# Altium PCB WX0.000.863拼板.PcbDoc (part 13 of 15) (continued)
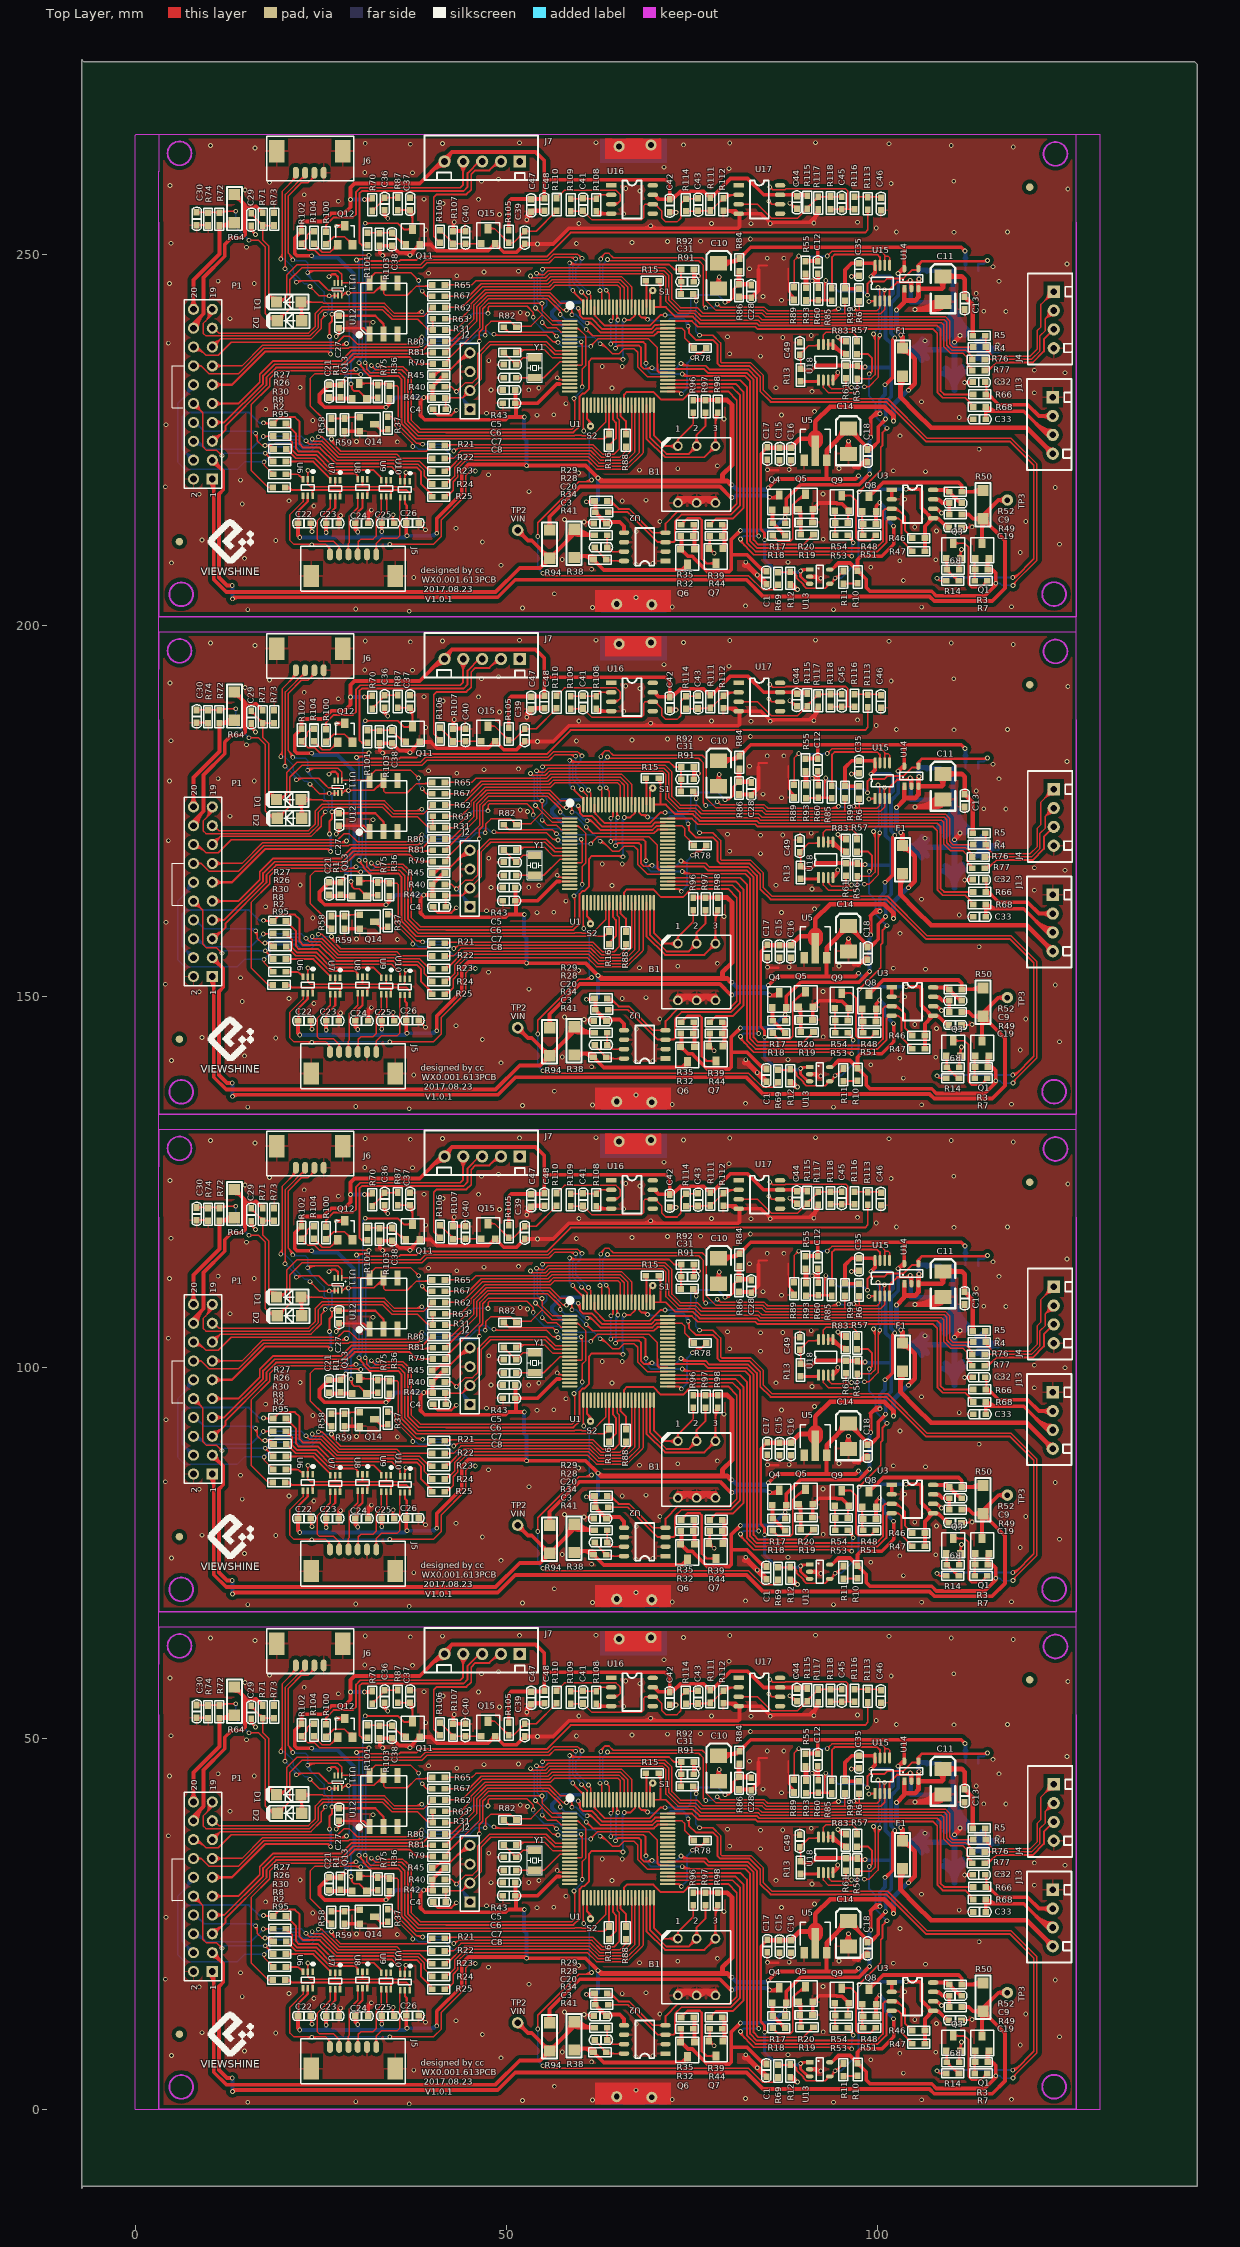
[diagram p0: Top Layer view]
## Nets (pads, with @x,y where several pads share a name; then routed paths per layer and width w, separated by ;. In a path a pad name is that pad's centre, name@x,y a point inside that pad or via, vN(x,y) a via of type N, cw(c..) or ccw(c..) an arc to the next point about the centre after c; other vN are vias at no path point) (continued)
31.039,168.326 31.069,168.356 31.069,182.402 v1(31.471,182.804) ; v1(30.988,235.382) 31.039,235.382 31.069,235.412 31.069,249.458 v1(31.471,249.86) ; 31.069,34.539 ccw(c31.313,34.539) v1@31.141,34.366 ; 31.069,101.595 ccw(c31.313,101.595) v1@31.141,101.422 ; 31.069,168.651 ccw(c31.313,168.651) v1@31.141,168.478 ; 31.069,235.707 ccw(c31.313,235.707) v1@31.141,235.534 ; v1@31.255,48.692 cw(c30.733,48.692) 31.102,48.323 cw(c31.471,47.955) v1@31.471,48.476 ; v1@31.255,115.748 cw(c30.733,115.748) 31.102,115.379 cw(c31.471,115.011) v1@31.471,115.532 ; v1@31.255,182.804 cw(c30.733,182.804) 31.102,182.435 cw(c31.471,182.067) v1@31.471,182.588 ; v1@31.255,249.86 cw(c30.733,249.86) 31.102,249.491 cw(c31.471,249.123) v1@31.471,249.644 ; v1@31.585,33.833 cw(c31.064,33.833) 31.432,33.464 cw(c31.801,33.096) v1@31.801,33.617 ; v1@31.585,100.889 cw(c31.064,100.889) 31.432,100.52 cw(c31.801,100.152) v1@31.801,100.673 ; v1@31.585,167.945 cw(c31.064,167.945) 31.432,167.576 cw(c31.801,167.208) v1@31.801,167.729 ; v1@31.585,235.001 cw(c31.064,235.001) 31.432,234.632 cw(c31.801,234.264) v1@31.801,234.785 ; 32.134,33.125 ccw(c31.375,33.884) v1@32.448,33.884 ; 32.134,100.181 ccw(c31.375,100.94) v1@32.448,100.94 ; 32.134,167.237 ccw(c31.375,167.996) v1@32.448,167.996 ; 32.134,234.293 ccw(c31.375,235.052) v1@32.448,235.052 ; 32.481,33.472 ccw(c32.069,33.884) v1@32.652,33.884 ; 32.481,100.528 ccw(c32.069,100.94) v1@32.652,100.94 ; 32.481,167.584 ccw(c32.069,167.996) v1@32.652,167.996 ; 32.481,234.64 ccw(c32.069,235.052) v1@32.652,235.052 ; v1@34.137,9.601 ccw(c33.769,9.232) 33.769,9.754 ccw(c33.769,10.275) v1@34.137,9.906 ; v1@34.137,76.657 ccw(c33.769,76.288) 33.769,76.81 ccw(c33.769,77.331) v1@34.137,76.962 ; v1@34.137,143.713 ccw(c33.769,143.344) 33.769,143.866 ccw(c33.769,144.387) v1@34.137,144.018 ; v1@34.137,210.769 ccw(c33.769,210.4) 33.769,210.922 ccw(c33.769,211.443) v1@34.137,211.074 ; v1@36.449,19.38 v1(36.449,19.406) ; v1@36.449,86.436 v1(36.449,86.462) ; v1@36.449,153.492 v1(36.449,153.518) ; v1@36.449,220.548 v1(36.449,220.574) ; v1@37.371,23.126 cw(c37.414,22.67) 37.738,22.994 ; v1@37.371,90.182 cw(c37.414,89.726) 37.738,90.05 ; v1@37.371,157.238 cw(c37.414,156.782) 37.738,157.106 ; v1@37.371,224.294 cw(c37.414,223.838) 37.738,224.162 ; v1(37.389,22.936) 37.795,22.936 ; v1(37.389,89.992) 37.795,89.992 ; v1(37.389,157.048) 37.795,157.048 ; v1(37.389,224.104) 37.795,224.104 ; v1@37.39,22.924 cw(c37.467,22.112) 38.043,22.688 ; v1@37.39,89.98 cw(c37.467,89.168) 38.043,89.744 ; v1@37.39,157.036 cw(c37.467,156.224) 38.043,156.8 ; v1@37.39,224.092 cw(c37.467,223.28) 38.043,223.856 ; v1@37.397,22.926 cw(c37.599,22.662) 37.834,22.897 ; v1@37.397,89.982 cw(c37.599,89.718) 37.834,89.953 ; v1@37.397,157.038 cw(c37.599,156.774) 37.834,157.009 ; v1@37.397,224.094 cw(c37.599,223.83) 37.834,224.065 ; v1@37.52,22.765 cw(c37.741,22.476) 37.998,22.733 ; v1@37.52,89.821 cw(c37.741,89.532) 37.998,89.789 ; v1@37.52,156.877 cw(c37.741,156.588) 37.998,156.845 ; v1@37.52,223.933 cw(c37.741,223.644) 37.998,223.901 ; v1@37.568,22.815 cw(c37.795,22.662) 37.795,22.936 ; v1@37.568,23.057 ccw(c37.795,23.211) 37.795,22.936 ; v1@37.568,89.871 cw(c37.795,89.718) 37.795,89.992 ; v1@37.568,90.113 ccw(c37.795,90.267) 37.795,89.992 ; v1@37.568,156.927 cw(c37.795,156.774) 37.795,157.048 ; v1@37.568,157.169 ccw(c37.795,157.323) 37.795,157.048 ; v1@37.568,223.983 cw(c37.795,223.83) 37.795,224.104 ; v1@37.568,224.225 ccw(c37.795,224.379) 37.795,224.104 ; v1@38.024,45.136 cw(c37.532,44.644) 38.227,44.644 ; v1@38.024,112.192 cw(c37.532,111.7) 38.227,111.7 ; v1@38.024,179.248 cw(c37.532,178.756) 38.227,178.756 ; v1@38.024,246.304 cw(c37.532,245.812) 38.227,245.812 ; v1(38.176,45.288) 38.227,45.339 38.227,44.298 v1(38.659,43.866) ; v1(38.176,112.344) 38.227,112.395 38.227,111.354 v1(38.659,110.922) ; v1(38.176,179.4) 38.227,179.451 38.227,178.41 v1(38.659,177.978) ; v1(38.176,246.456) 38.227,246.507 38.227,245.466 v1(38.659,245.034) ; 38.227,44.89 cw(c38.575,44.89) v1@38.329,45.136 ; 38.227,111.946 cw(c38.575,111.946) v1@38.329,112.192 ; 38.227,179.002 cw(c38.575,179.002) v1@38.329,179.248 ; 38.227,246.058 cw(c38.575,246.058) v1@38.329,246.304 ; v1@38.443,43.866 ccw(c37.922,43.866) 38.29,44.234 ccw(c38.659,44.603) v1@38.659,44.082 ; v1@38.443,110.922 ccw(c37.922,110.922) 38.29,111.29 ccw(c38.659,111.659) v1@38.659,111.138 ; v1@38.443,177.978 ccw(c37.922,177.978) 38.29,178.346 ccw(c38.659,178.715) v1@38.659,178.194 ; v1@38.443,245.034 ccw(c37.922,245.034) 38.29,245.402 ccw(c38.659,245.771) v1@38.659,245.25 ; v1(38.532,36.678) 45.923,36.678 v1(46.355,37.109) ; v1(38.532,103.734) 45.923,103.734 v1(46.355,104.165) ; v1(38.532,170.79) 45.923,170.79 v1(46.355,171.221) ; v1(38.532,237.846) 45.923,237.846 v1(46.355,238.277) ; v1@38.603,40.876 cw(c38.603,40.086) 39.162,40.645 ; v1(38.603,41.092) 38.633,41.123 38.684,41.123 39.225,40.582 39.225,37.873 39.618,37.48 44.939,37.48 45.998,38.539 47.398,38.539 47.888,38.049 ; v1@38.603,107.932 cw(c38.603,107.142) 39.162,107.701 ; v1(38.603,108.148) 38.633,108.179 38.684,108.179 39.225,107.638 39.225,104.929 39.618,104.536 44.939,104.536 45.998,105.595 47.398,105.595 47.888,105.105 ; v1@38.603,174.988 cw(c38.603,174.198) 39.162,174.757 ; v1(38.603,175.204) 38.633,175.235 38.684,175.235 39.225,174.694 39.225,171.985 39.618,171.592 44.939,171.592 45.998,172.651 47.398,172.651 47.888,172.161 ; v1@38.603,242.044 cw(c38.603,241.254) 39.162,241.813 ; v1(38.603,242.26) 38.633,242.291 38.684,242.291 39.225,241.75 39.225,239.041 39.618,238.648 44.939,238.648 45.998,239.707 47.398,239.707 47.888,239.217 ; v1@38.608,37.452 cw(c38.608,36.318) 39.41,37.12 ; v1@38.608,37.655 cw(c38.608,37.012) 39.063,37.467 ; v1@38.608,104.508 cw(c38.608,103.374) 39.41,104.176 ; v1@38.608,104.712 cw(c38.608,104.068) 39.063,104.523 ; v1@38.608,171.564 cw(c38.608,170.43) 39.41,171.232 ; v1@38.608,171.767 cw(c38.608,171.124) 39.063,171.579 ; v1@38.608,238.62 cw(c38.608,237.486) 39.41,238.288 ; v1@38.608,238.823 cw(c38.608,238.18) 39.063,238.635 ; v1@38.684,36.525 cw(c39.053,36.156) 39.053,36.678 cw(c39.053,37.199) v1@38.684,36.83 ; v1@38.684,103.581 cw(c39.053,103.212) 39.053,103.734 cw(c39.053,104.255) v1@38.684,103.886 ; v1@38.684,170.637 cw(c39.053,170.268) 39.053,170.79 cw(c39.053,171.311) v1@38.684,170.942 ; v1@38.684,237.693 cw(c39.053,237.324) 39.053,237.846 cw(c39.053,238.367) v1@38.684,237.998 ; v1(38.71,23.216) 41.885,23.216 42.774,22.327 v1(42.901,22.327) ; v1(38.71,90.272) 41.885,90.272 42.774,89.383 v1(42.901,89.383) ; v1(38.71,157.328) 41.885,157.328 42.774,156.439 v1(42.901,156.439) ; v1(38.71,224.384) 41.885,224.384 42.774,223.495 v1(42.901,223.495) ; v1@38.819,41.092 ccw(c39.071,41.092) 38.893,40.914 ; v1@38.819,108.148 ccw(c39.071,108.148) 38.893,107.97 ; v1@38.819,175.204 ccw(c39.071,175.204) 38.893,175.026 ; v1@38.819,242.26 ccw(c39.071,242.26) 38.893,242.082 ; v1@38.862,23.063 cw(c39.231,22.694) 39.231,23.216 cw(c39.231,23.737) v1@38.862,23.368 ; v1@38.862,37.668 39.451,37.079 45.105,37.079 45.949,37.922 v1(47.142,37.922) ; v1@38.862,90.119 cw(c39.231,89.75) 39.231,90.272 cw(c39.231,90.793) v1@38.862,90.424 ; v1@38.862,104.724 39.451,104.135 45.105,104.135 45.949,104.978 v1(47.142,104.978) ; v1@38.862,157.175 cw(c39.231,156.806) 39.231,157.328 cw(c39.231,157.849) v1@38.862,157.48 ; v1@38.862,171.78 39.451,171.191 45.105,171.191 45.949,172.034 v1(47.142,172.034) ; v1@38.862,224.231 cw(c39.231,223.862) 39.231,224.384 cw(c39.231,224.905) v1@38.862,224.536 ; v1@38.862,238.836 39.451,238.247 45.105,238.247 45.949,239.09 v1(47.142,239.09) ; 42.315,22.785 ccw(c42.901,23.37) v1@42.901,22.543 ; 42.315,89.841 ccw(c42.901,90.426) v1@42.901,89.599 ; 42.315,156.897 ccw(c42.901,157.482) v1@42.901,156.654 ; 42.315,223.953 ccw(c42.901,224.538) v1@42.901,223.71 ; v1@43.256,30.112 cw(c43.256,29.59) 43.625,29.959 cw(c43.993,30.328) v1@43.472,30.328 ; v1(43.256,30.328) 45.085,28.499 45.085,27.94 ; v1@43.256,97.168 cw(c43.256,96.646) 43.625,97.015 cw(c43.993,97.384) v1@43.472,97.384 ; v1(43.256,97.384) 45.085,95.555 45.085,94.996 ; v1@43.256,164.224 cw(c43.256,163.702) 43.625,164.071 cw(c43.993,164.44) v1@43.472,164.44 ; v1(43.256,164.44) 45.085,162.611 45.085,162.052 ; v1@43.256,231.28 cw(c43.256,230.758) 43.625,231.127 cw(c43.993,231.496) v1@43.472,231.496 ; v1(43.256,231.496) 45.085,229.667 45.085,229.108 ; 43.583,30.001 cw(c41.522,27.94) 44.437,27.94 ; 43.583,97.057 cw(c41.522,94.996) 44.437,94.996 ; 43.583,164.113 cw(c41.522,162.052) 44.437,162.052 ; 43.583,231.169 cw(c41.522,229.108) 44.437,229.108 ; 43.93,29.654 cw(c42.216,27.94) 44.64,27.94 ; 43.93,96.71 cw(c42.216,94.996) 44.64,94.996 ; 43.93,163.766 cw(c42.216,162.052) 44.64,162.052 ; 43.93,230.822 cw(c42.216,229.108) 44.64,229.108 ; 44.277,29.307 cw(c42.91,27.94) 44.843,27.94 ; 44.277,96.363 cw(c42.91,94.996) 44.843,94.996 ; 44.277,163.419 cw(c42.91,162.052) 44.843,162.052 ; 44.277,230.475 cw(c42.91,229.108) 44.843,229.108 ; 44.624,28.96 cw(c43.603,27.94) 45.046,27.94 ; 44.624,96.016 cw(c43.603,94.996) 45.046,94.996 ; 44.624,163.072 cw(c43.603,162.052) 45.046,162.052 ; 44.624,230.128 cw(c43.603,229.108) 45.046,229.108 ; v1(45.006,40.425) 45.048,40.425 45.491,40.869 v1(47.523,40.869) ; v1@45.006,40.641 ccw(c45.006,41.262) 45.446,40.823 ; v1(45.006,107.481) 45.048,107.481 45.491,107.925 v1(47.523,107.925) ; v1@45.006,107.697 ccw(c45.006,108.318) 45.446,107.879 ; v1(45.006,174.537) 45.048,174.537 45.491,174.981 v1(47.523,174.981) ; v1@45.006,174.753 ccw(c45.006,175.374) 45.446,174.935 ; v1(45.006,241.593) 45.048,241.593 45.491,242.037 v1(47.523,242.037) ; v1@45.006,241.809 ccw(c45.006,242.43) 45.446,241.991 ; v1@45.222,40.425 cw(c45.643,40.425) 45.345,40.723 ; v1@45.222,107.481 cw(c45.643,107.481) 45.345,107.779 ; v1@45.222,174.537 cw(c45.643,174.537) 45.345,174.835 ; v1@45.222,241.593 cw(c45.643,241.593) 45.345,241.891 ; v1@45.606,19.634 ccw(c45.084,19.634) 45.453,20.003 ccw(c45.822,20.371) v1@45.822,19.85 ; v1@45.606,86.69 ccw(c45.084,86.69) 45.453,87.059 ccw(c45.822,87.427) v1@45.822,86.906 ; v1@45.606,153.746 ccw(c45.084,153.746) 45.453,154.115 ccw(c45.822,154.483) v1@45.822,153.962 ; v1@45.606,220.802 ccw(c45.084,220.802) 45.453,221.171 ccw(c45.822,221.539) v1@45.822,221.018 ; v1(45.822,19.634) 44.018,21.438 42.875,21.438 41.504,22.809 39.853,22.809 39.63,22.586 38.145,22.586 37.795,22.936 ; v1(45.822,86.69) 44.018,88.494 42.875,88.494 41.504,89.865 39.853,89.865 39.63,89.642 38.145,89.642 37.795,89.992 ; v1(45.822,153.746) 44.018,155.55 42.875,155.55 41.504,156.921 39.853,156.921 39.63,156.698 38.145,156.698 37.795,157.048 ; v1(45.822,220.802) 44.018,222.606 42.875,222.606 41.504,223.977 39.853,223.977 39.63,223.754 38.145,223.754 37.795,224.104 ; v1@46.139,37.109 cw(c45.618,37.109) 45.986,36.741 cw(c46.355,36.372) v1@46.355,36.893 ; v1@46.139,104.165 cw(c45.618,104.165) 45.986,103.797 cw(c46.355,103.428) v1@46.355,103.95 ; v1@46.139,171.221 cw(c45.618,171.221) 45.986,170.853 cw(c46.355,170.484) v1@46.355,171.005 ; v1@46.139,238.277 cw(c45.618,238.277) 45.986,237.909 cw(c46.355,237.54) v1@46.355,238.061 ; v1@46.99,37.77 ccw(c46.621,37.401) 46.621,37.922 ccw(c46.621,38.443) v1@46.99,38.075 ; v1@46.99,104.826 ccw(c46.621,104.457) 46.621,104.978 ccw(c46.621,105.499) v1@46.99,105.131 ; v1@46.99,171.882 ccw(c46.621,171.513) 46.621,172.034 ccw(c46.621,172.555) v1@46.99,172.187 ; v1@46.99,238.938 ccw(c46.621,238.569) 46.621,239.09 ccw(c46.621,239.611) v1@46.99,239.243 ; v1@47.371,40.716 ccw(c47.002,40.347) 47.002,40.869 ccw(c47.002,41.39) v1@47.371,41.021 ; v1@47.371,107.772 ccw(c47.002,107.403) 47.002,107.925 ccw(c47.002,108.446) v1@47.371,108.077 ; v1@47.371,174.828 ccw(c47.002,174.459) 47.002,174.981 ccw(c47.002,175.502) v1@47.371,175.133 ; v1@47.371,241.884 ccw(c47.002,241.515) 47.002,242.037 ccw(c47.002,242.558) v1@47.371,242.189 ; v1@48.136,37.923 ccw(c47.888,37.744) 47.888,38.049 ; v1@48.136,38.176 cw(c47.888,38.355) 47.888,38.049 ; v1@48.136,104.979 ccw(c47.888,104.8) 47.888,105.105 ; v1@48.136,105.232 cw(c47.888,105.411) 47.888,105.105 ; v1@48.136,172.035 ccw(c47.888,171.856) 47.888,172.161 ; v1@48.136,172.288 cw(c47.888,172.467) 47.888,172.161 ; v1@48.136,239.091 ccw(c47.888,238.912) 47.888,239.217 ; v1@48.136,239.344 cw(c47.888,239.523) 47.888,239.217 ; v1(48.311,38.049) 47.888,38.049 ; v1(48.311,105.105) 47.888,105.105 ; v1(48.311,172.161) 47.888,172.161 ; v1(48.311,239.217) 47.888,239.217 ; v1@53.238,45.682 cw(c53.238,45.161) 53.607,45.529 cw(c53.976,45.898) v1@53.454,45.898 ; v1(53.238,45.898) 53.772,45.364 53.772,41.732 v1(53.911,41.592) v1@53.924,41.605 ; v1@53.238,112.738 cw(c53.238,112.217) 53.607,112.585 cw(c53.976,112.954) v1@53.454,112.954 ; v1(53.238,112.954) 53.772,112.42 53.772,108.788 v1(53.911,108.648) v1@53.924,108.661 ; v1@53.238,179.794 cw(c53.238,179.273) 53.607,179.641 cw(c53.976,180.01) v1@53.454,180.01 ; v1(53.238,180.01) 53.772,179.476 53.772,175.844 v1(53.911,175.704) v1@53.924,175.717 ; v1@53.238,246.85 cw(c53.238,246.329) 53.607,246.697 cw(c53.976,247.066) v1@53.454,247.066 ; v1(53.238,247.066) 53.772,246.532 53.772,242.9 v1(53.911,242.76) v1@53.924,242.773 ; v1@53.506,40.151 cw(c53.352,39.903) 53.645,39.903 cw(c54.015,39.903) v1@53.765,40.176 ; v1@53.506,107.207 cw(c53.352,106.959) 53.645,106.959 cw(c54.015,106.959) v1@53.765,107.232 ; v1@53.506,174.263 cw(c53.352,174.015) 53.645,174.015 cw(c54.015,174.015) v1@53.765,174.288 ; v1@53.506,241.319 cw(c53.352,241.071) 53.645,241.071 cw(c54.015,241.071) v1@53.765,241.344 ; v1(53.619,40.335) 53.645,40.31 53.645,39.903 55.093,38.456 55.575,38.456 57.125,38.456 57.912,37.668 61.798,37.668 62.636,36.83 v1(62.636,36.779) ; v1(53.619,107.391) 53.645,107.366 53.645,106.959 55.093,105.512 55.575,105.512 57.125,105.512 57.912,104.724 61.798,104.724 62.636,103.886 v1(62.636,103.835) ; v1(53.619,174.447) 53.645,174.422 53.645,174.015 55.093,172.568 55.575,172.568 57.125,172.568 57.912,171.78 61.798,171.78 62.636,170.942 v1(62.636,170.891) ; v1(53.619,241.503) 53.645,241.478 53.645,241.071 55.093,239.624 55.575,239.624 57.125,239.624 57.912,238.836 61.798,238.836 62.636,237.998 v1(62.636,237.947) ; 53.772,41.96 ccw(c54.279,41.96) v1@53.92,41.601 ; 53.772,42.45 ccw(c54.769,42.45) v1@54.064,41.745 ; 53.772,109.016 ccw(c54.279,109.016) v1@53.92,108.657 ; 53.772,109.506 ccw(c54.769,109.506) v1@54.064,108.801 ; 53.772,176.072 ccw(c54.279,176.072) v1@53.92,175.713 ; 53.772,176.562 ccw(c54.769,176.562) v1@54.064,175.857 ; 53.772,243.128 ccw(c54.279,243.128) v1@53.92,242.769 ; 53.772,243.618 ccw(c54.769,243.618) v1@54.064,242.913 ; v1@53.899,46.126 cw(c53.236,45.463) 54.173,45.463 ; v1@53.899,113.182 cw(c53.236,112.519) 54.173,112.519 ; v1@53.899,180.238 cw(c53.236,179.575) 54.173,179.575 ; v1@53.899,247.294 cw(c53.236,246.631) 54.173,246.631 ; v1@54.042,46.27 cw(c53.726,45.954) 54.173,45.954 ; v1@54.042,113.326 cw(c53.726,113.01) 54.173,113.01 ; v1@54.042,180.382 cw(c53.726,180.066) 54.173,180.066 ; v1@54.042,247.438 cw(c53.726,247.122) 54.173,247.122 ; v1(54.051,46.279) 54,46.228 53.975,46.228 54.173,46.03 54.173,42.596 54.554,42.215 v1(54.813,42.215) ; v1(54.051,113.335) 54,113.284 53.975,113.284 54.173,113.086 54.173,109.652 54.554,109.271 v1(54.813,109.271) ; v1(54.051,180.391) 54,180.34 53.975,180.34 54.173,180.142 54.173,176.708 54.554,176.327 v1(54.813,176.327) ; v1(54.051,247.447) 54,247.396 53.975,247.396 54.173,247.198 54.173,243.764 54.554,243.383 v1(54.813,243.383) ; v1@54.076,10.642 cw(c53.708,10.274) 54.229,10.274 cw(c54.75,10.274) v1@54.382,10.642 ; v1@54.076,77.698 cw(c53.708,77.33) 54.229,77.33 cw(c54.75,77.33) v1@54.382,77.698 ; v1@54.076,144.754 cw(c53.708,144.386) 54.229,144.386 cw(c54.75,144.386) v1@54.382,144.754 ; v1@54.076,211.81 cw(c53.708,211.442) 54.229,211.442 cw(c54.75,211.442) v1@54.382,211.81 ; v1(54.229,10.795) 54.229,6.528 v1(54.915,5.842) ; v1(54.229,77.851) 54.229,73.584 v1(54.915,72.898) ; v1(54.229,144.907) 54.229,140.64 v1(54.915,139.954) ; v1(54.229,211.963) 54.229,207.696 v1(54.915,207.01) ; 54.303,42.466 ccw(c54.548,42.712) v1@54.712,42.405 ; 54.303,109.522 ccw(c54.548,109.768) v1@54.712,109.461 ; 54.303,176.578 ccw(c54.548,176.824) v1@54.712,176.517 ; 54.303,243.634 ccw(c54.548,243.88) v1@54.712,243.573 ; 54.497,42.272 ccw(c54.683,42.459) v1@54.807,42.226 ; 54.497,109.328 ccw(c54.683,109.515) v1@54.807,109.282 ; 54.497,176.384 ccw(c54.683,176.571) v1@54.807,176.338 ; 54.497,243.44 ccw(c54.683,243.627) v1@54.807,243.394 ; v1@54.686,39.777 ccw(c54.317,40.145) 54.838,40.145 ccw(c55.359,40.145) v1@54.991,39.777 ; v1@54.686,106.833 ccw(c54.317,107.201) 54.838,107.201 ccw(c55.359,107.201) v1@54.991,106.833 ; v1@54.686,173.889 ccw(c54.317,174.257) 54.838,174.257 ccw(c55.359,174.257) v1@54.991,173.889 ; v1@54.686,240.945 ccw(c54.317,241.313) 54.838,241.313 ccw(c55.359,241.313) v1@54.991,240.945 ; v1@54.699,5.842 ccw(c54.178,5.842) 54.546,6.211 ccw(c54.915,6.579) v1@54.915,6.058 ; v1@54.699,72.898 ccw(c54.178,72.898) 54.546,73.267 ccw(c54.915,73.635) v1@54.915,73.114 ; v1@54.699,139.954 ccw(c54.178,139.954) 54.546,140.323 ccw(c54.915,140.691) v1@54.915,140.17 ; v1@54.699,207.01 ccw(c54.178,207.01) 54.546,207.379 ccw(c54.915,207.747) v1@54.915,207.226 ; v1@54.711,46.66 cw(c54.343,46.291) 54.864,46.291 cw(c55.385,46.291) v1@55.017,46.66 ; v1@54.711,113.716 cw(c54.343,113.347) 54.864,113.347 cw(c55.385,113.347) v1@55.017,113.716 ; v1@54.711,180.772 cw(c54.343,180.403) 54.864,180.403 cw(c55.385,180.403) v1@55.017,180.772 ; v1@54.711,247.828 cw(c54.343,247.459) 54.864,247.459 cw(c55.385,247.459) v1@55.017,247.828 ; v1(54.838,39.624) 54.838,40.97 54.838,41.106 54.838,41.367 55.43,41.959 55.43,42.553 54.574,43.409 54.574,45.557 54.864,45.847 v1(54.864,46.812) ; v1(54.838,106.68) 54.838,108.026 54.838,108.162 54.838,108.423 55.43,109.015 55.43,109.609 54.574,110.465 54.574,112.613 54.864,112.903 v1(54.864,113.868) ; v1(54.838,173.736) 54.838,175.082 54.838,175.218 54.838,175.479 55.43,176.071 55.43,176.665 54.574,177.521 54.574,179.669 54.864,179.959 v1(54.864,180.924) ; v1(54.838,240.792) 54.838,242.138 54.838,242.274 54.838,242.535 55.43,243.127 55.43,243.721 54.574,244.577 54.574,246.725 54.864,247.015 v1(54.864,247.98) ; v1(56.744,37.795) 56.921,37.617 57.159,37.617 ; v1(56.744,104.851) 56.921,104.673 57.159,104.673 ; v1(56.744,171.907) 56.921,171.729 57.159,171.729 ; v1(56.744,238.963) 56.921,238.785 57.159,238.785 ; v1@56.947,36.741 cw(c56.947,36.22) 57.315,36.588 cw(c57.684,36.957) v1@57.163,36.957 ; v1@56.947,103.797 cw(c56.947,103.276) 57.315,103.644 cw(c57.684,104.013) v1@57.163,104.013 ; v1@56.947,170.853 cw(c56.947,170.332) 57.315,170.7 cw(c57.684,171.069) v1@57.163,171.069 ; v1@56.947,237.909 cw(c56.947,237.388) 57.315,237.756 cw(c57.684,238.125) v1@57.163,238.125 ; v1@56.959,37.807 ccw(c57.159,37.818) 57.159,37.617 ; v1@56.959,104.863 ccw(c57.159,104.874) 57.159,104.673 ; v1@56.959,171.919 ccw(c57.159,171.93) 57.159,171.729 ; v1@56.959,238.975 ccw(c57.159,238.986) 57.159,238.785 ; v1(59.106,29.413) 60.223,30.531 ; v1@59.106,29.629 ccw(c59.106,30.15) 59.474,29.782 ccw(c59.843,29.413) v1@59.322,29.413 ; v1(59.106,96.469) 60.223,97.587 ; v1@59.106,96.685 ccw(c59.106,97.206) 59.474,96.838 ccw(c59.843,96.469) v1@59.322,96.469 ; v1(59.106,163.525) 60.223,164.643 ; v1@59.106,163.741 ccw(c59.106,164.262) 59.474,163.894 ccw(c59.843,163.525) v1@59.322,163.525 ; v1(59.106,230.581) 60.223,231.699 ; v1@59.106,230.797 ccw(c59.106,231.318) 59.474,230.95 ccw(c59.843,230.581) v1@59.322,230.581 ; v1@59.182,48.082 cw(c58.813,47.713) 59.334,47.713 cw(c59.856,47.713) v1@59.487,48.082 ; v1@59.182,115.138 cw(c58.813,114.769) 59.334,114.769 cw(c59.856,114.769) v1@59.487,115.138 ; v1@59.182,182.194 cw(c58.813,181.825) 59.334,181.825 cw(c59.856,181.825) v1@59.487,182.194 ; v1@59.182,249.25 cw(c58.813,248.881) 59.334,248.881 cw(c59.856,248.881) v1@59.487,249.25 ; v1(59.334,48.235) 59.334,47.625 59.139,47.429 59.139,47.42 58.948,47.23 58.948,45.085 60.122,43.912 60.122,43.764 v1(60.122,43.739) ; v1(59.334,115.291) 59.334,114.681 59.139,114.485 59.139,114.476 58.948,114.286 58.948,112.141 60.122,110.968 60.122,110.82 v1(60.122,110.795) ; v1(59.334,182.347) 59.334,181.737 59.139,181.541 59.139,181.532 58.948,181.342 58.948,179.197 60.122,178.024 60.122,177.876 v1(60.122,177.851) ; v1(59.334,249.403) 59.334,248.793 59.139,248.597 59.139,248.588 58.948,248.398 58.948,246.253 60.122,245.08 60.122,244.932 v1(60.122,244.907) ; 59.631,44.402 cw(c58.968,43.739) v1@59.906,43.739 ; 59.631,111.458 cw(c58.968,110.795) v1@59.906,110.795 ; 59.631,178.514 cw(c58.968,177.851) v1@59.906,177.851 ; 59.631,245.57 cw(c58.968,244.907) v1@59.906,244.907 ; v1@59.938,36.888 ccw(c59.57,36.52) 59.57,37.041 ccw(c59.57,37.562) v1@59.938,37.193 ; v1@59.938,103.944 ccw(c59.57,103.576) 59.57,104.097 ccw(c59.57,104.618) v1@59.938,104.249 ; v1@59.938,171 ccw(c59.57,170.632) 59.57,171.153 ccw(c59.57,171.674) v1@59.938,171.305 ; v1@59.938,238.056 ccw(c59.57,237.688) 59.57,238.209 ccw(c59.57,238.73) v1@59.938,238.361 ; 59.952,47.404 cw(c60.806,47.404) v1@60.321,48.108 ; 59.952,47.792 cw(c60.539,47.792) v1@60.205,48.275 ; 59.952,114.46 cw(c60.806,114.46) v1@60.321,115.164 ; 59.952,114.848 cw(c60.539,114.848) v1@60.205,115.331 ; 59.952,181.516 cw(c60.806,181.516) v1@60.321,182.22 ; 59.952,181.904 cw(c60.539,181.904) v1@60.205,182.387 ; 59.952,248.572 cw(c60.806,248.572) v1@60.321,249.276 ; 59.952,248.96 cw(c60.539,248.96) v1@60.205,249.443 ; 59.978,44.055 cw(c59.661,43.739) v1@60.109,43.739 ; 59.978,111.111 cw(c59.661,110.795) v1@60.109,110.795 ; 59.978,178.167 cw(c59.661,177.851) v1@60.109,177.851 ; 59.978,245.223 cw(c59.661,244.907) v1@60.109,244.907 ; v1(60.091,37.041) 57.736,37.041 57.159,37.617 ; v1(60.091,104.097) 57.736,104.097 57.159,104.673 ; v1(60.091,171.153) 57.736,171.153 57.159,171.729 ; v1(60.091,238.209) 57.736,238.209 57.159,238.785 ; v1@60.094,30.79 cw(c59.9,30.531) 60.223,30.531 ; v1@60.094,97.846 cw(c59.9,97.587) 60.223,97.587 ; v1@60.094,164.902 cw(c59.9,164.643) 60.223,164.643 ; v1@60.094,231.958 cw(c59.9,231.699) 60.223,231.699 ; v1(60.198,48.285) 60.147,48.285 59.952,48.09 59.952,47.44 59.35,46.838 59.35,45.4 v1(61.062,43.688) ; v1(60.198,115.341) 60.147,115.341 59.952,115.146 59.952,114.496 59.35,113.894 59.35,112.456 v1(61.062,110.744) ; v1(60.198,182.397) 60.147,182.397 59.952,182.202 59.952,181.552 59.35,180.95 59.35,179.512 v1(61.062,177.8) ; v1(60.198,249.453) 60.147,249.453 59.952,249.258 59.952,248.608 59.35,248.006 59.35,246.568 v1(61.062,244.856) ; v1(60.223,30.963) 60.223,30.531 ; v1(60.223,98.019) 60.223,97.587 ; v1(60.223,165.075) 60.223,164.643 ; v1(60.223,232.131) 60.223,231.699 ; v1@60.353,30.79 ccw(c60.547,30.531) 60.223,30.531 ; v1@60.353,97.846 ccw(c60.547,97.587) 60.223,97.587 ; v1@60.353,164.902 ccw(c60.547,164.643) 60.223,164.643 ; v1@60.353,231.958 ccw(c60.547,231.699) 60.223,231.699 ; v1@60.427,24.803 cw(c60.427,24.343) 60.752,24.668 ; v1(60.427,25.019) 60.427,24.994 61.166,24.254 61.166,18.743 ; v1@60.427,91.859 cw(c60.427,91.399) 60.752,91.724 ; v1(60.427,92.075) 60.427,92.05 61.166,91.31 61.166,85.799 ; v1@60.427,158.915 cw(c60.427,158.455) 60.752,158.78 ; v1(60.427,159.131) 60.427,159.106 61.166,158.366 61.166,152.855 ; v1@60.427,225.971 cw(c60.427,225.511) 60.752,225.836 ; v1(60.427,226.187) 60.427,226.162 61.166,225.422 61.166,219.911 ; v1@60.642,25.019 ccw(c61.225,25.019) 60.813,24.607 ; v1@60.642,92.075 ccw(c61.225,92.075) 60.813,91.663 ; v1@60.642,159.131 ccw(c61.225,159.131) 60.813,158.719 ; v1@60.642,226.187 ccw(c61.225,226.187) 60.813,225.775 ; v1@60.846,43.688 ccw(c60.324,43.688) 60.693,44.057 ccw(c61.062,44.425) v1@61.062,43.904 ; v1@60.846,110.744 ccw(c60.324,110.744) 60.693,111.113 ccw(c61.062,111.481) v1@61.062,110.96 ; v1@60.846,177.8 ccw(c60.324,177.8) 60.693,178.169 ccw(c61.062,178.537) v1@61.062,178.016 ; v1@60.846,244.856 ccw(c60.324,244.856) 60.693,245.225 ccw(c61.062,245.593) v1@61.062,245.072 ; v1@61.214,36.271 ccw(c60.845,35.902) 60.845,36.424 ccw(c60.845,36.945) v1@61.214,36.576 ; v1@61.214,103.327 ccw(c60.845,102.958) 60.845,103.48 ccw(c60.845,104.001) v1@61.214,103.632 ; v1@61.214,170.383 ccw(c60.845,170.014) 60.845,170.536 ccw(c60.845,171.057) v1@61.214,170.688 ; v1@61.214,237.439 ccw(c60.845,237.07) 60.845,237.592 ccw(c60.845,238.113) v1@61.214,237.744 ; v1@61.278,18.434 ccw(c60.89,18.467) 61.166,18.743 ; v1@61.278,85.49 ccw(c60.89,85.523) 61.166,85.799 ; v1@61.278,152.546 ccw(c60.89,152.579) 61.166,152.855 ; v1@61.278,219.602 ccw(c60.89,219.635) 61.166,219.911 ; v1(61.366,36.424) 57.48,36.424 v1@56.985,36.919 ; v1(61.366,103.48) 57.48,103.48 v1@56.985,103.975 ; v1(61.366,170.536) 57.48,170.536 v1@56.985,171.031 ; v1(61.366,237.592) 57.48,237.592 v1@56.985,238.087 ; v1@61.475,18.63 cw(c61.441,19.018) 61.166,18.743 ; v1@61.475,85.686 cw(c61.441,86.074) 61.166,85.799 ; v1@61.475,152.742 cw(c61.441,153.13) 61.166,152.855 ; v1@61.475,219.798 cw(c61.441,220.186) 61.166,219.911 ; v1(61.493,18.415) 61.166,18.743 ; v1(61.493,85.471) 61.166,85.799 ; v1(61.493,152.527) 61.166,152.855 ; v1(61.493,219.583) 61.166,219.911 ; 62.232,37.234 cw(c61.777,36.779) v1@62.42,36.779 ; 62.232,104.29 cw(c61.777,103.835) v1@62.42,103.835 ; 62.232,171.346 cw(c61.777,170.891) v1@62.42,170.891 ; 62.232,238.402 cw(c61.777,237.947) v1@62.42,237.947 ; 62.355,37.112 ccw(c62.636,37.394) v1@62.636,36.995 ; 62.355,104.168 ccw(c62.636,104.45) v1@62.636,104.051 ; 62.355,171.224 ccw(c62.636,171.506) v1@62.636,171.107 ; 62.355,238.28 ccw(c62.636,238.562) v1@62.636,238.163 ; v1(62.611,43.942) v1@62.611,48.082 ; v1(62.611,110.998) v1@62.611,115.138 ; v1(62.611,178.054) v1@62.611,182.194 ; v1(62.611,245.11) v1@62.611,249.25 ; v1@63.233,43.993 ccw(c62.712,43.993) 63.081,44.361 ccw(c63.449,44.73) v1@63.449,44.209 ; v1@63.233,111.049 ccw(c62.712,111.049) 63.081,111.417 ccw(c63.449,111.786) v1@63.449,111.265 ; v1@63.233,178.105 ccw(c62.712,178.105) 63.081,178.473 ccw(c63.449,178.842) v1@63.449,178.321 ; v1@63.233,245.161 ccw(c62.712,245.161) 63.081,245.529 ccw(c63.449,245.898) v1@63.449,245.377 ; v1@63.398,43.993 v1(63.449,43.993) 63.012,44.43 63.012,47.518 v1(63.627,48.133) ; v1@63.398,111.049 v1(63.449,111.049) 63.012,111.486 63.012,114.574 v1(63.627,115.189) ; v1@63.398,178.105 v1(63.449,178.105) 63.012,178.542 63.012,181.63 v1(63.627,182.245) ; v1@63.398,245.161 v1(63.449,245.161) 63.012,245.598 63.012,248.686 v1(63.627,249.301) ; v1@63.411,48.133 cw(c62.89,48.133) 63.258,47.764 cw(c63.627,47.396) v1@63.627,47.917 ; v1@63.411,115.189 cw(c62.89,115.189) 63.258,114.82 cw(c63.627,114.452) v1@63.627,114.973 ; v1@63.411,182.245 cw(c62.89,182.245) 63.258,181.876 cw(c63.627,181.508) v1@63.627,182.029 ; v1@63.411,249.301 cw(c62.89,249.301) 63.258,248.932 cw(c63.627,248.564) v1@63.627,249.085 ; v1@75.438,42.367 cw(c75.069,41.998) 75.59,41.998 cw(c76.112,41.998) v1@75.743,42.367 ; v1@75.438,109.423 cw(c75.069,109.054) 75.59,109.054 cw(c76.112,109.054) v1@75.743,109.423 ; v1@75.438,176.479 cw(c75.069,176.11) 75.59,176.11 cw(c76.112,176.11) v1@75.743,176.479 ; v1@75.438,243.535 cw(c75.069,243.166) 75.59,243.166 cw(c76.112,243.166) v1@75.743,243.535 ; 75.544,41.513 75.544,38.4 v1(76.022,37.922) ; 75.544,108.569 75.544,105.456 v1(76.022,104.978) ; 75.544,175.625 75.544,172.512 v1(76.022,172.034) ; 75.544,242.681 75.544,239.568 v1(76.022,239.09) ; 75.59,41.559 v1(75.59,42.52) ; 75.59,108.615 v1(75.59,109.576) ; 75.59,175.671 v1(75.59,176.632) ; 75.59,242.727 v1(75.59,243.688) ; v1@75.806,37.922 ccw(c75.285,37.922) 75.654,38.291 ccw(c76.022,38.659) v1@76.022,38.138 ; v1@75.806,104.978 ccw(c75.285,104.978) 75.654,105.347 ccw(c76.022,105.715) v1@76.022,105.194 ; v1@75.806,172.034 ccw(c75.285,172.034) 75.654,172.403 ccw(c76.022,172.771) v1@76.022,172.25 ; v1@75.806,239.09 ccw(c75.285,239.09) 75.654,239.459 ccw(c76.022,239.827) v1@76.022,239.306 ; v1(76.86,41.605) 77.902,41.605 v1(78.41,42.113) ; v1(76.86,108.661) 77.902,108.661 v1(78.41,109.169) ; v1(76.86,175.717) 77.902,175.717 v1(78.41,176.225) ; v1(76.86,242.773) 77.902,242.773 v1(78.41,243.281) ; v1@77.013,41.453 cw(c77.382,41.084) 77.382,41.605 cw(c77.382,42.126) v1@77.013,41.758